# KiCad board hoember_panel.kicad_pcb
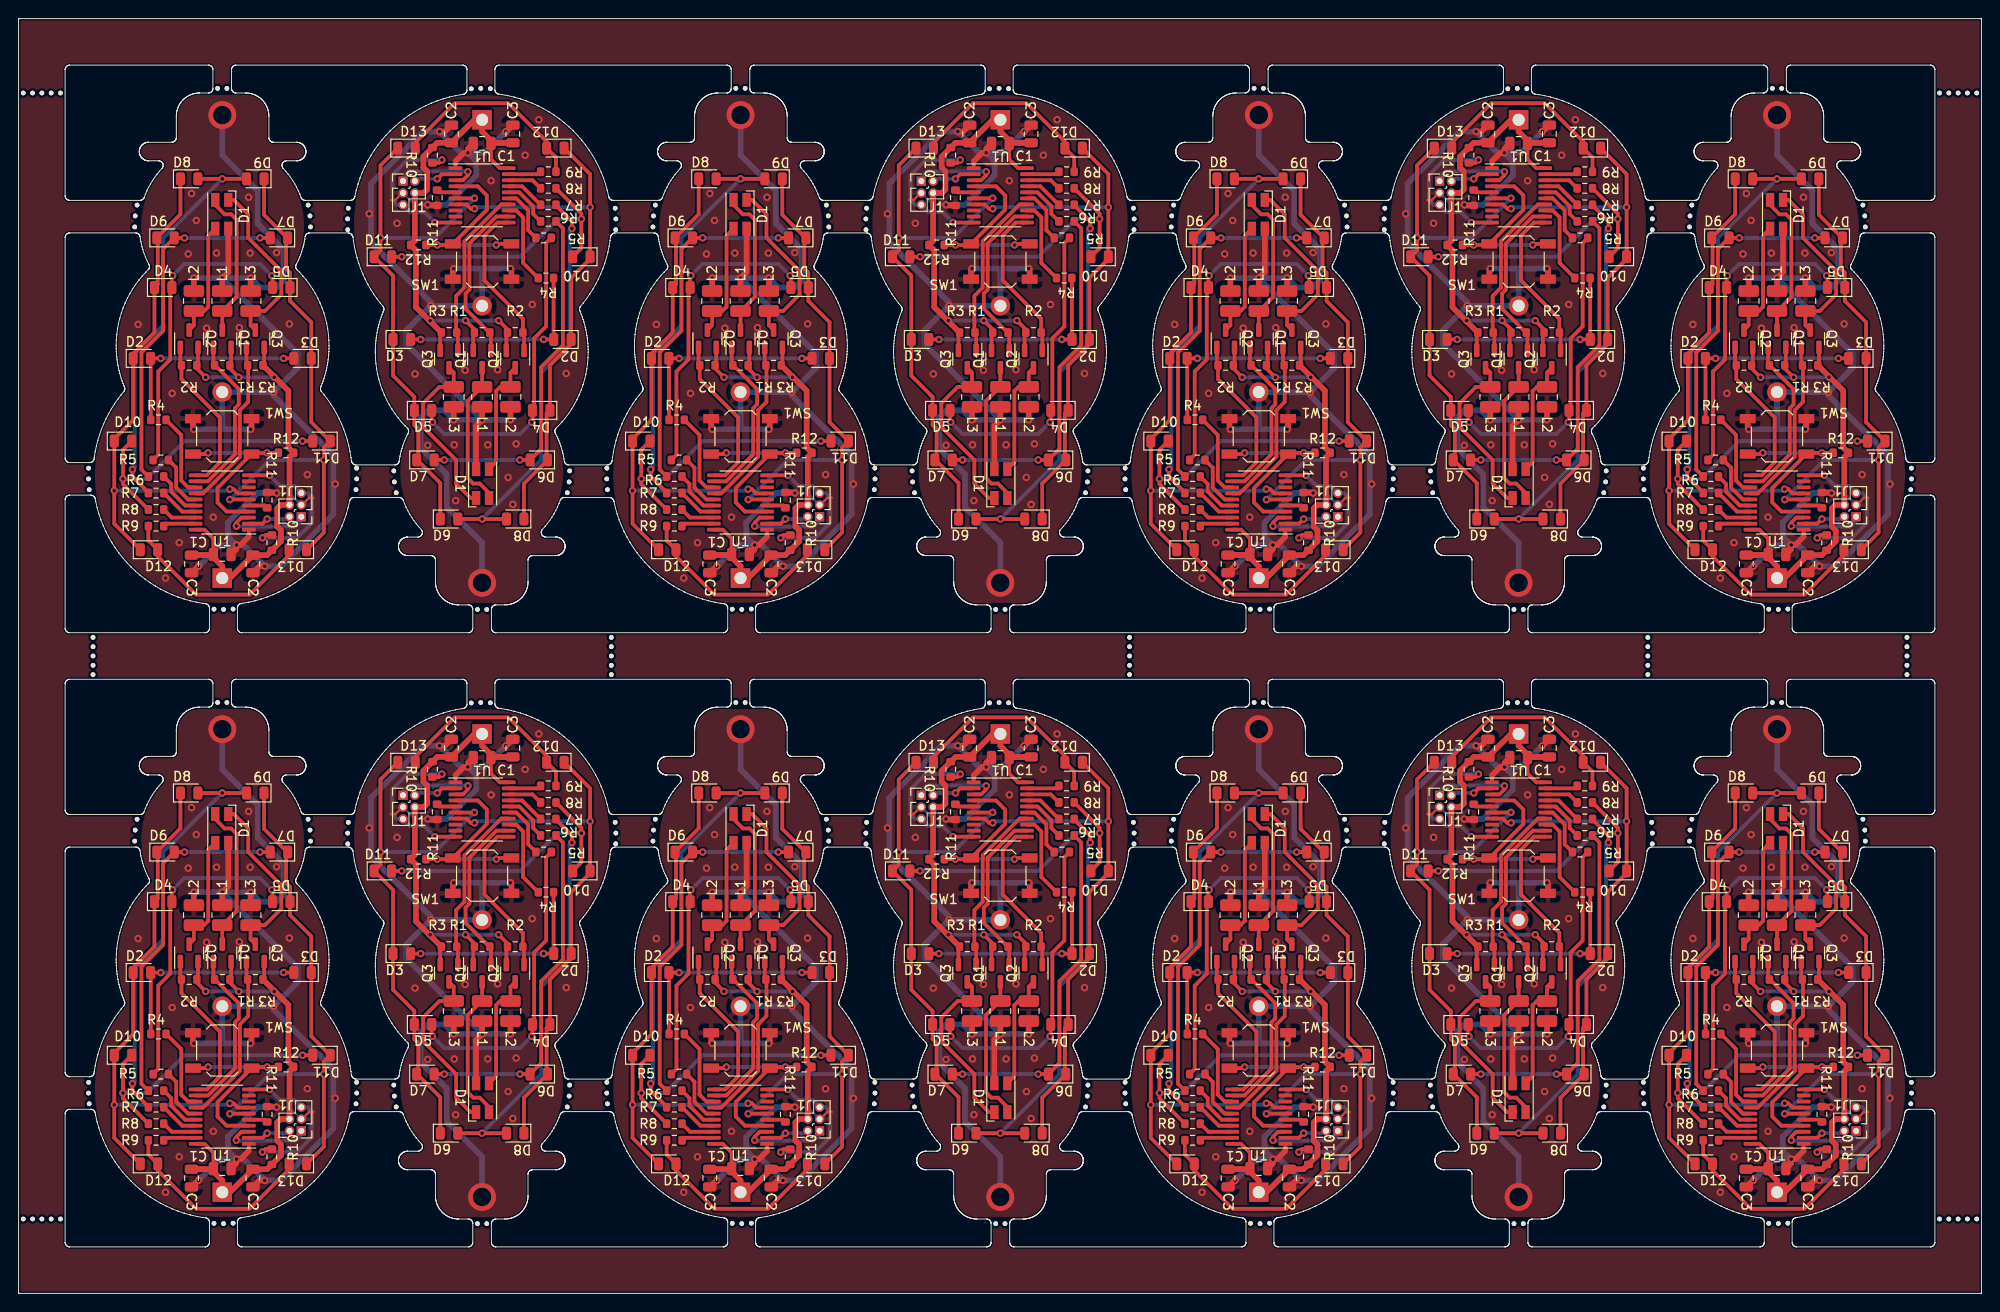
[diagram p0: board, top side]
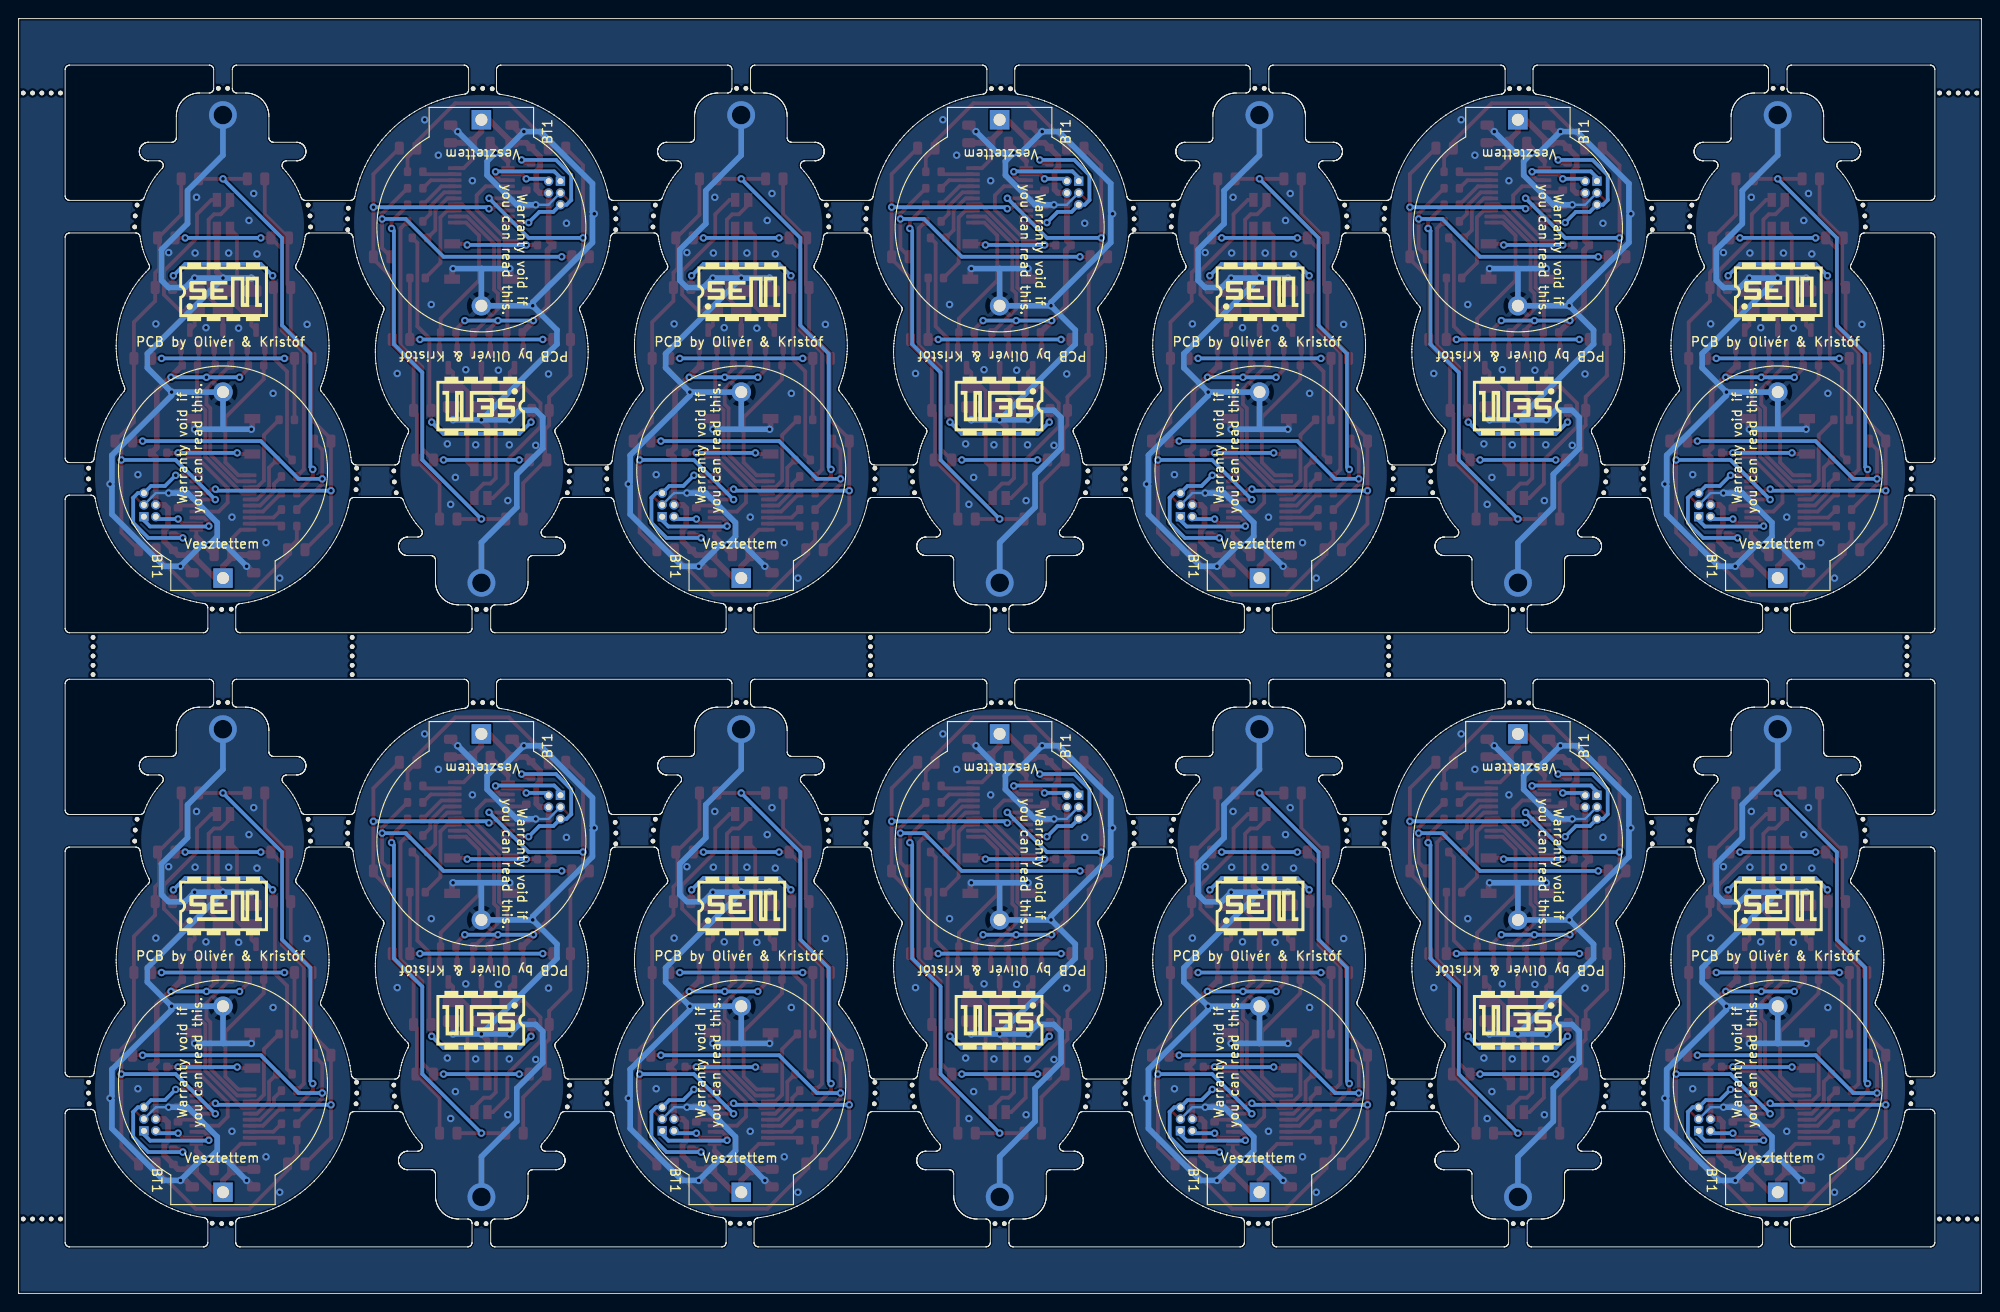
[diagram p1: board, bottom side, seen from below]

Outline 210.97 x 137.07 mm; copper layers: Top, Bottom. Coordinates in mm from the lower left corner of the outline.
Stack: Top 0.035mm / dielectric 1.51mm FR4 er 4.5 / Bottom 0.035mm

## Placement (name value [footprint] x y rotation side)
BT1  Battery  [CR2032_Holder]  161.23 60.16 270 bottom
BT1#2  Battery  [CR2032_Holder]  49.82 126.19 270 bottom
BT1#3  Battery  [CR2032_Holder]  105.52 126.19 270 bottom
BT1#4  Battery  [CR2032_Holder]  77.59 10.88 90 bottom
BT1#5  Battery  [CR2032_Holder]  21.89 10.88 90 bottom
BT1#6  Battery  [CR2032_Holder]  49.82 60.16 270 bottom
BT1#7  Battery  [CR2032_Holder]  189 10.88 90 bottom
BT1#8  Battery  [CR2032_Holder]  133.3 10.88 90 bottom
BT1#9  Battery  [CR2032_Holder]  189 76.91 90 bottom
BT1#10  Battery  [CR2032_Holder]  161.23 126.19 270 bottom
BT1#11  Battery  [CR2032_Holder]  77.59 76.91 90 bottom
BT1#12  Battery  [CR2032_Holder]  105.52 60.16 270 bottom
BT1#13  Battery  [CR2032_Holder]  21.89 76.91 90 bottom
BT1#14  Battery  [CR2032_Holder]  133.3 76.91 90 bottom
C1  100nF  [C_0805_2012Metric]  105.52 57.62 0 top
C1#2  100nF  [C_0805_2012Metric]  77.59 13.42 180 top
C1#3  100nF  [C_0805_2012Metric]  161.23 57.62 0 top
C1#4  100nF  [C_0805_2012Metric]  49.82 123.65 0 top
C1#5  100nF  [C_0805_2012Metric]  49.82 57.62 0 top
C1#6  100nF  [C_0805_2012Metric]  189 13.42 180 top
C1#7  100nF  [C_0805_2012Metric]  77.59 79.45 180 top
C1#8  100nF  [C_0805_2012Metric]  105.52 123.65 0 top
C1#9  100nF  [C_0805_2012Metric]  21.89 13.42 180 top
C1#10  100nF  [C_0805_2012Metric]  189 79.45 180 top
C1#11  100nF  [C_0805_2012Metric]  133.3 13.42 180 top
C1#12  100nF  [C_0805_2012Metric]  21.89 79.45 180 top
C1#13  100nF  [C_0805_2012Metric]  161.23 123.65 0 top
C1#14  100nF  [C_0805_2012Metric]  133.3 79.45 180 top
C2  10uF  [C_0805_2012Metric]  80.89 78.44 270 top
C2#2  10uF  [C_0805_2012Metric]  25.19 12.4 270 top
C2#3  10uF  [C_0805_2012Metric]  102.22 124.67 90 top
C2#4  10uF  [C_0805_2012Metric]  25.19 78.44 270 top
C2#5  10uF  [C_0805_2012Metric]  157.93 124.67 90 top
C2#6  10uF  [C_0805_2012Metric]  46.52 124.67 90 top
C2#7  10uF  [C_0805_2012Metric]  136.6 12.4 270 top
C2#8  10uF  [C_0805_2012Metric]  102.22 58.63 90 top
C2#9  10uF  [C_0805_2012Metric]  80.89 12.4 270 top
C2#10  10uF  [C_0805_2012Metric]  192.3 12.4 270 top
C2#11  10uF  [C_0805_2012Metric]  192.3 78.44 270 top
C2#12  10uF  [C_0805_2012Metric]  46.52 58.63 90 top
C2#13  10uF  [C_0805_2012Metric]  136.6 78.44 270 top
C2#14  10uF  [C_0805_2012Metric]  157.93 58.63 90 top
C3  10uF  [C_0805_2012Metric]  18.58 12.4 270 top
C3#2  10uF  [C_0805_2012Metric]  164.53 58.63 90 top
C3#3  10uF  [C_0805_2012Metric]  185.7 12.4 270 top
C3#4  10uF  [C_0805_2012Metric]  108.82 124.67 90 top
C3#5  10uF  [C_0805_2012Metric]  185.7 78.44 270 top
C3#6  10uF  [C_0805_2012Metric]  74.29 12.4 270 top
C3#7  10uF  [C_0805_2012Metric]  74.29 78.44 270 top
C3#8  10uF  [C_0805_2012Metric]  53.12 58.63 90 top
C3#9  10uF  [C_0805_2012Metric]  129.99 78.44 270 top
C3#10  10uF  [C_0805_2012Metric]  164.53 124.67 90 top
C3#11  10uF  [C_0805_2012Metric]  129.99 12.4 270 top
C3#12  10uF  [C_0805_2012Metric]  53.12 124.67 90 top
C3#13  10uF  [C_0805_2012Metric]  18.58 78.44 270 top
C3#14  10uF  [C_0805_2012Metric]  108.82 58.63 90 top
D1  LED_ARGB  [LED_RGB_Wuerth-PLCC4_3.2x2.8mm_150141M173100]  49.87 21.04 270 top
D1#2  LED_ARGB  [LED_RGB_Wuerth-PLCC4_3.2x2.8mm_150141M173100]  77.54 49.99 90 top
D1#3  LED_ARGB  [LED_RGB_Wuerth-PLCC4_3.2x2.8mm_150141M173100]  105.57 87.07 270 top
D1#4  LED_ARGB  [LED_RGB_Wuerth-PLCC4_3.2x2.8mm_150141M173100]  21.84 49.99 90 top
D1#5  LED_ARGB  [LED_RGB_Wuerth-PLCC4_3.2x2.8mm_150141M173100]  161.28 87.07 270 top
D1#6  LED_ARGB  [LED_RGB_Wuerth-PLCC4_3.2x2.8mm_150141M173100]  49.87 87.07 270 top
D1#7  LED_ARGB  [LED_RGB_Wuerth-PLCC4_3.2x2.8mm_150141M173100]  77.54 116.03 90 top
D1#8  LED_ARGB  [LED_RGB_Wuerth-PLCC4_3.2x2.8mm_150141M173100]  161.28 21.04 270 top
D1#9  LED_ARGB  [LED_RGB_Wuerth-PLCC4_3.2x2.8mm_150141M173100]  133.24 49.99 90 top
D1#10  LED_ARGB  [LED_RGB_Wuerth-PLCC4_3.2x2.8mm_150141M173100]  21.84 116.03 90 top
D1#11  LED_ARGB  [LED_RGB_Wuerth-PLCC4_3.2x2.8mm_150141M173100]  188.95 116.03 90 top
D1#12  LED_ARGB  [LED_RGB_Wuerth-PLCC4_3.2x2.8mm_150141M173100]  188.95 49.99 90 top
D1#13  LED_ARGB  [LED_RGB_Wuerth-PLCC4_3.2x2.8mm_150141M173100]  105.57 21.04 270 top
D1#14  LED_ARGB  [LED_RGB_Wuerth-PLCC4_3.2x2.8mm_150141M173100]  133.24 116.03 90 top
D2  LED  [LED_0805_2012Metric]  169.86 102.57 180 top
D2#2  LED  [LED_0805_2012Metric]  13.25 34.5 0 top
D2#3  LED  [LED_0805_2012Metric]  68.95 34.5 0 top
D2#4  LED  [LED_0805_2012Metric]  58.45 102.57 180 top
D2#5  LED  [LED_0805_2012Metric]  58.45 36.53 180 top
D2#6  LED  [LED_0805_2012Metric]  68.95 100.53 0 top
D2#7  LED  [LED_0805_2012Metric]  114.16 102.57 180 top
D2#8  LED  [LED_0805_2012Metric]  169.86 36.53 180 top
D2#9  LED  [LED_0805_2012Metric]  180.36 34.5 0 top
D2#10  LED  [LED_0805_2012Metric]  124.66 34.5 0 top
D2#11  LED  [LED_0805_2012Metric]  180.36 100.53 0 top
D2#12  LED  [LED_0805_2012Metric]  124.66 100.53 0 top
D2#13  LED  [LED_0805_2012Metric]  114.16 36.53 180 top
D2#14  LED  [LED_0805_2012Metric]  13.25 100.53 0 top
D3  LED  [LED_0805_2012Metric]  30.52 34.5 180 top
D3#2  LED  [LED_0805_2012Metric]  141.93 34.5 180 top
D3#3  LED  [LED_0805_2012Metric]  197.64 34.5 180 top
D3#4  LED  [LED_0805_2012Metric]  152.59 102.57 0 top
D3#5  LED  [LED_0805_2012Metric]  41.18 36.53 0 top
D3#6  LED  [LED_0805_2012Metric]  96.89 102.57 0 top
D3#7  LED  [LED_0805_2012Metric]  41.18 102.57 0 top
D3#8  LED  [LED_0805_2012Metric]  86.23 100.53 180 top
D3#9  LED  [LED_0805_2012Metric]  152.59 36.53 0 top
D3#10  LED  [LED_0805_2012Metric]  141.93 100.53 180 top
D3#11  LED  [LED_0805_2012Metric]  86.23 34.5 180 top
D3#12  LED  [LED_0805_2012Metric]  96.89 36.53 0 top
D3#13  LED  [LED_0805_2012Metric]  197.64 100.53 180 top
D3#14  LED  [LED_0805_2012Metric]  30.52 100.53 180 top
D4  LED  [LED_0805_2012Metric]  56.17 94.95 180 top
D4#2  LED  [LED_0805_2012Metric]  126.95 42.12 0 top
D4#3  LED  [LED_0805_2012Metric]  167.58 94.95 180 top
D4#4  LED  [LED_0805_2012Metric]  167.58 28.91 180 top
D4#5  LED  [LED_0805_2012Metric]  15.54 108.15 0 top
D4#6  LED  [LED_0805_2012Metric]  182.65 108.15 0 top
D4#7  LED  [LED_0805_2012Metric]  71.24 108.15 0 top
D4#8  LED  [LED_0805_2012Metric]  126.95 108.15 0 top
D4#9  LED  [LED_0805_2012Metric]  15.54 42.12 0 top
D4#10  LED  [LED_0805_2012Metric]  71.24 42.12 0 top
D4#11  LED  [LED_0805_2012Metric]  182.65 42.12 0 top
D4#12  LED  [LED_0805_2012Metric]  111.87 28.91 180 top
D4#13  LED  [LED_0805_2012Metric]  111.87 94.95 180 top
D4#14  LED  [LED_0805_2012Metric]  56.17 28.91 180 top
D5  LED  [LED_0805_2012Metric]  195.35 108.15 180 top
D5#2  LED  [LED_0805_2012Metric]  28.24 42.12 180 top
D5#3  LED  [LED_0805_2012Metric]  83.94 42.12 180 top
D5#4  LED  [LED_0805_2012Metric]  139.65 42.12 180 top
D5#5  LED  [LED_0805_2012Metric]  154.88 94.95 0 top
D5#6  LED  [LED_0805_2012Metric]  154.88 28.91 0 top
D5#7  LED  [LED_0805_2012Metric]  139.65 108.15 180 top
D5#8  LED  [LED_0805_2012Metric]  195.35 42.12 180 top
D5#9  LED  [LED_0805_2012Metric]  99.17 94.95 0 top
D5#10  LED  [LED_0805_2012Metric]  43.47 28.91 0 top
D5#11  LED  [LED_0805_2012Metric]  28.24 108.15 180 top
D5#12  LED  [LED_0805_2012Metric]  83.94 108.15 180 top
D5#13  LED  [LED_0805_2012Metric]  99.17 28.91 0 top
D5#14  LED  [LED_0805_2012Metric]  43.47 94.95 0 top
D6  LED  [LED_0805_2012Metric]  71.49 113.49 0 top
D6#2  LED  [LED_0805_2012Metric]  127.2 113.49 0 top
D6#3  LED  [LED_0805_2012Metric]  15.79 47.45 0 top
D6#4  LED  [LED_0805_2012Metric]  182.9 113.49 0 top
D6#5  LED  [LED_0805_2012Metric]  55.91 89.61 180 top
D6#6  LED  [LED_0805_2012Metric]  15.79 113.49 0 top
D6#7  LED  [LED_0805_2012Metric]  111.62 89.61 180 top
D6#8  LED  [LED_0805_2012Metric]  71.49 47.45 0 top
D6#9  LED  [LED_0805_2012Metric]  167.32 89.61 180 top
D6#10  LED  [LED_0805_2012Metric]  55.91 23.58 180 top
D6#11  LED  [LED_0805_2012Metric]  111.62 23.58 180 top
D6#12  LED  [LED_0805_2012Metric]  127.2 47.45 0 top
D6#13  LED  [LED_0805_2012Metric]  167.32 23.58 180 top
D6#14  LED  [LED_0805_2012Metric]  182.9 47.45 0 top
D7  LED  [LED_0805_2012Metric]  43.72 89.61 0 top
D7#2  LED  [LED_0805_2012Metric]  139.39 47.45 180 top
D7#3  LED  [LED_0805_2012Metric]  99.43 23.58 0 top
D7#4  LED  [LED_0805_2012Metric]  43.72 23.58 0 top
D7#5  LED  [LED_0805_2012Metric]  139.39 113.49 180 top
D7#6  LED  [LED_0805_2012Metric]  99.43 89.61 0 top
D7#7  LED  [LED_0805_2012Metric]  195.1 113.49 180 top
D7#8  LED  [LED_0805_2012Metric]  195.1 47.45 180 top
D7#9  LED  [LED_0805_2012Metric]  83.69 47.45 180 top
D7#10  LED  [LED_0805_2012Metric]  27.98 47.45 180 top
D7#11  LED  [LED_0805_2012Metric]  27.98 113.49 180 top
D7#12  LED  [LED_0805_2012Metric]  155.13 23.58 0 top
D7#13  LED  [LED_0805_2012Metric]  155.13 89.61 0 top
D7#14  LED  [LED_0805_2012Metric]  83.69 113.49 180 top
D8  LED  [LED_0805_2012Metric]  109.08 17.23 180 top
D8#2  LED  [LED_0805_2012Metric]  74.03 119.84 0 top
D8#3  LED  [LED_0805_2012Metric]  129.74 53.8 0 top
D8#4  LED  [LED_0805_2012Metric]  164.78 17.23 180 top
D8#5  LED  [LED_0805_2012Metric]  185.44 53.8 0 top
D8#6  LED  [LED_0805_2012Metric]  18.33 119.84 0 top
D8#7  LED  [LED_0805_2012Metric]  109.08 83.26 180 top
D8#8  LED  [LED_0805_2012Metric]  164.78 83.26 180 top
D8#9  LED  [LED_0805_2012Metric]  18.33 53.8 0 top
D8#10  LED  [LED_0805_2012Metric]  129.74 119.84 0 top
D8#11  LED  [LED_0805_2012Metric]  53.37 17.23 180 top
D8#12  LED  [LED_0805_2012Metric]  53.37 83.26 180 top
D8#13  LED  [LED_0805_2012Metric]  185.44 119.84 0 top
D8#14  LED  [LED_0805_2012Metric]  74.03 53.8 0 top
D9  LED  [LED_0805_2012Metric]  25.44 119.84 180 top
D9#2  LED  [LED_0805_2012Metric]  157.67 83.26 0 top
D9#3  LED  [LED_0805_2012Metric]  157.67 17.23 0 top
D9#4  LED  [LED_0805_2012Metric]  192.56 53.8 180 top
D9#5  LED  [LED_0805_2012Metric]  46.26 17.23 0 top
D9#6  LED  [LED_0805_2012Metric]  25.44 53.8 180 top
D9#7  LED  [LED_0805_2012Metric]  81.15 53.8 180 top
D9#8  LED  [LED_0805_2012Metric]  101.97 83.26 0 top
D9#9  LED  [LED_0805_2012Metric]  46.26 83.26 0 top
D9#10  LED  [LED_0805_2012Metric]  192.56 119.84 180 top
D9#11  LED  [LED_0805_2012Metric]  101.97 17.23 0 top
D9#12  LED  [LED_0805_2012Metric]  136.85 53.8 180 top
D9#13  LED  [LED_0805_2012Metric]  136.85 119.84 180 top
D9#14  LED  [LED_0805_2012Metric]  81.15 119.84 180 top
D10  LED  [LED_0805_2012Metric]  122.63 25.61 0 top
D10#2  LED  [LED_0805_2012Metric]  116.19 111.46 180 top
D10#3  LED  [LED_0805_2012Metric]  60.49 45.42 180 top
D10#4  LED  [LED_0805_2012Metric]  122.63 91.64 0 top
D10#5  LED  [LED_0805_2012Metric]  66.92 25.61 0 top
D10#6  LED  [LED_0805_2012Metric]  60.49 111.46 180 top
D10#7  LED  [LED_0805_2012Metric]  171.9 45.42 180 top
D10#8  LED  [LED_0805_2012Metric]  11.22 25.61 0 top
D10#9  LED  [LED_0805_2012Metric]  66.92 91.64 0 top
D10#10  LED  [LED_0805_2012Metric]  178.33 91.64 0 top
D10#11  LED  [LED_0805_2012Metric]  178.33 25.61 0 top
D10#12  LED  [LED_0805_2012Metric]  116.19 45.42 180 top
D10#13  LED  [LED_0805_2012Metric]  11.22 91.64 0 top
D10#14  LED  [LED_0805_2012Metric]  171.9 111.46 180 top
D11  LED  [LED_0805_2012Metric]  150.56 111.46 0 top
D11#2  LED  [LED_0805_2012Metric]  94.85 111.46 0 top
D11#3  LED  [LED_0805_2012Metric]  143.96 25.61 180 top
D11#4  LED  [LED_0805_2012Metric]  88.26 91.64 180 top
D11#5  LED  [LED_0805_2012Metric]  32.55 25.61 180 top
D11#6  LED  [LED_0805_2012Metric]  199.67 25.61 180 top
D11#7  LED  [LED_0805_2012Metric]  94.85 45.42 0 top
D11#8  LED  [LED_0805_2012Metric]  143.96 91.64 180 top
D11#9  LED  [LED_0805_2012Metric]  39.15 45.42 0 top
D11#10  LED  [LED_0805_2012Metric]  39.15 111.46 0 top
D11#11  LED  [LED_0805_2012Metric]  88.26 25.61 180 top
D11#12  LED  [LED_0805_2012Metric]  32.55 91.64 180 top
D11#13  LED  [LED_0805_2012Metric]  150.56 45.42 0 top
D11#14  LED  [LED_0805_2012Metric]  199.67 91.64 180 top
D12  LED  [LED_0805_2012Metric]  69.72 79.96 0 top
D12#2  LED  [LED_0805_2012Metric]  69.72 13.93 0 top
D12#3  LED  [LED_0805_2012Metric]  169.1 57.11 180 top
D12#4  LED  [LED_0805_2012Metric]  169.1 123.14 180 top
D12#5  LED  [LED_0805_2012Metric]  125.42 79.96 0 top
D12#6  LED  [LED_0805_2012Metric]  113.4 57.11 180 top
D12#7  LED  [LED_0805_2012Metric]  125.42 13.93 0 top
D12#8  LED  [LED_0805_2012Metric]  57.69 123.14 180 top
D12#9  LED  [LED_0805_2012Metric]  14.01 13.93 0 top
D12#10  LED  [LED_0805_2012Metric]  57.69 57.11 180 top
D12#11  LED  [LED_0805_2012Metric]  14.01 79.96 0 top
D12#12  LED  [LED_0805_2012Metric]  181.13 79.96 0 top
D12#13  LED  [LED_0805_2012Metric]  181.13 13.93 0 top
D12#14  LED  [LED_0805_2012Metric]  113.4 123.14 180 top
D13  LED  [LED_0805_2012Metric]  30.01 79.96 180 top
D13#2  LED  [LED_0805_2012Metric]  85.72 79.96 180 top
D13#3  LED  [LED_0805_2012Metric]  41.69 57.11 0 top
D13#4  LED  [LED_0805_2012Metric]  153.1 57.11 0 top
D13#5  LED  [LED_0805_2012Metric]  141.42 79.96 180 top
D13#6  LED  [LED_0805_2012Metric]  30.01 13.93 180 top
D13#7  LED  [LED_0805_2012Metric]  153.1 123.14 0 top
D13#8  LED  [LED_0805_2012Metric]  97.39 123.14 0 top
D13#9  LED  [LED_0805_2012Metric]  197.13 79.96 180 top
D13#10  LED  [LED_0805_2012Metric]  141.42 13.93 180 top
D13#11  LED  [LED_0805_2012Metric]  97.39 57.11 0 top
D13#12  LED  [LED_0805_2012Metric]  197.13 13.93 180 top
D13#13  LED  [LED_0805_2012Metric]  41.69 123.14 0 top
D13#14  LED  [LED_0805_2012Metric]  85.72 13.93 180 top
J1  Conn_2Rows-05Pins  [ProgConnector_5pin]  152.73 119.59 0 top
J1#2  Conn_2Rows-05Pins  [ProgConnector_5pin]  197.5 17.48 180 top
J1#3  Conn_2Rows-05Pins  [ProgConnector_5pin]  97.02 53.56 0 top
J1#4  Conn_2Rows-05Pins  [ProgConnector_5pin]  41.32 119.59 0 top
J1#5  Conn_2Rows-05Pins  [ProgConnector_5pin]  86.09 17.48 180 top
J1#6  Conn_2Rows-05Pins  [ProgConnector_5pin]  152.73 53.56 0 top
J1#7  Conn_2Rows-05Pins  [ProgConnector_5pin]  141.79 83.51 180 top
J1#8  Conn_2Rows-05Pins  [ProgConnector_5pin]  197.5 83.51 180 top
J1#9  Conn_2Rows-05Pins  [ProgConnector_5pin]  30.39 17.48 180 top
J1#10  Conn_2Rows-05Pins  [ProgConnector_5pin]  86.09 83.51 180 top
J1#11  Conn_2Rows-05Pins  [ProgConnector_5pin]  141.79 17.48 180 top
J1#12  Conn_2Rows-05Pins  [ProgConnector_5pin]  30.39 83.51 180 top
J1#13  Conn_2Rows-05Pins  [ProgConnector_5pin]  97.02 119.59 0 top
J1#14  Conn_2Rows-05Pins  [ProgConnector_5pin]  41.32 53.56 0 top
KiKit_MB_1_2  -  [NPTH]  31.38 114.67 0 top
KiKit_MB_1_3  -  [NPTH]  31.32 115.85 0 top
KiKit_MB_1_4  -  [NPTH]  31.12 117.02 0 top
KiKit_MB_2_2  -  [NPTH]  12.73 117.02 0 top
KiKit_MB_2_3  -  [NPTH]  12.53 115.85 0 top
KiKit_MB_2_4  -  [NPTH]  12.48 114.67 0 top
KiKit_MB_3_2  -  [NPTH]  7.52 88.73 0 top
KiKit_MB_3_3  -  [NPTH]  7.51 87.57 0 top
KiKit_MB_3_4  -  [NPTH]  7.58 86.42 0 top
KiKit_MB_4_2  -  [NPTH]  21 73.57 0 top
KiKit_MB_4_3  -  [NPTH]  22.03 73.54 0 top
KiKit_MB_4_4  -  [NPTH]  23.05 73.58 0 top
KiKit_MB_5_2  -  [NPTH]  22.39 129.57 0 top
KiKit_MB_5_3  -  [NPTH]  21.39 129.57 0 top
KiKit_MB_6_2  -  [NPTH]  36.27 86.42 0 top
KiKit_MB_6_3  -  [NPTH]  36.34 87.57 0 top
KiKit_MB_6_4  -  [NPTH]  36.33 88.73 0 top
KiKit_MB_7_2  -  [NPTH]  40.33 88.43 0 top
KiKit_MB_7_3  -  [NPTH]  40.38 87.25 0 top
KiKit_MB_7_4  -  [NPTH]  40.59 86.08 0 top
KiKit_MB_8_2  -  [NPTH]  58.97 86.08 0 top
KiKit_MB_8_3  -  [NPTH]  59.17 87.25 0 top
KiKit_MB_8_4  -  [NPTH]  59.23 88.43 0 top
KiKit_MB_9_2  -  [NPTH]  64.18 114.37 0 top
KiKit_MB_9_3  -  [NPTH]  64.19 115.53 0 top
KiKit_MB_9_4  -  [NPTH]  64.12 116.68 0 top
KiKit_MB_10_2  -  [NPTH]  50.7 129.54 0 top
KiKit_MB_10_3  -  [NPTH]  49.68 129.57 0 top
KiKit_MB_10_4  -  [NPTH]  48.65 129.52 0 top
KiKit_MB_11_2  -  [NPTH]  49.32 73.53 0 top
KiKit_MB_11_3  -  [NPTH]  50.32 73.53 0 top
KiKit_MB_12_2  -  [NPTH]  35.44 116.68 0 top
KiKit_MB_12_3  -  [NPTH]  35.36 115.53 0 top
KiKit_MB_12_4  -  [NPTH]  35.37 114.37 0 top
KiKit_MB_13_2  -  [NPTH]  87.08 114.67 0 top
KiKit_MB_13_3  -  [NPTH]  87.03 115.85 0 top
KiKit_MB_13_4  -  [NPTH]  86.82 117.02 0 top
KiKit_MB_14_2  -  [NPTH]  68.44 117.02 0 top
KiKit_MB_14_3  -  [NPTH]  68.24 115.85 0 top
KiKit_MB_14_4  -  [NPTH]  68.18 114.67 0 top
KiKit_MB_15_2  -  [NPTH]  63.23 88.73 0 top
KiKit_MB_15_3  -  [NPTH]  63.21 87.57 0 top
KiKit_MB_15_4  -  [NPTH]  63.29 86.42 0 top
KiKit_MB_16_2  -  [NPTH]  76.71 73.57 0 top
KiKit_MB_16_3  -  [NPTH]  77.73 73.54 0 top
KiKit_MB_16_4  -  [NPTH]  78.76 73.58 0 top
KiKit_MB_17_2  -  [NPTH]  78.09 129.57 0 top
KiKit_MB_17_3  -  [NPTH]  77.09 129.57 0 top
KiKit_MB_18_2  -  [NPTH]  91.97 86.42 0 top
KiKit_MB_18_3  -  [NPTH]  92.05 87.57 0 top
KiKit_MB_18_4  -  [NPTH]  92.03 88.73 0 top
KiKit_MB_19_2  -  [NPTH]  96.03 88.43 0 top
KiKit_MB_19_3  -  [NPTH]  96.09 87.25 0 top
KiKit_MB_19_4  -  [NPTH]  96.29 86.08 0 top
KiKit_MB_20_2  -  [NPTH]  114.68 86.08 0 top
KiKit_MB_20_3  -  [NPTH]  114.88 87.25 0 top
KiKit_MB_20_4  -  [NPTH]  114.93 88.43 0 top
KiKit_MB_21_2  -  [NPTH]  119.89 114.37 0 top
KiKit_MB_21_3  -  [NPTH]  119.9 115.53 0 top
KiKit_MB_21_4  -  [NPTH]  119.83 116.68 0 top
KiKit_MB_22_2  -  [NPTH]  106.41 129.54 0 top
KiKit_MB_22_3  -  [NPTH]  105.38 129.57 0 top
KiKit_MB_22_4  -  [NPTH]  104.36 129.52 0 top
KiKit_MB_23_2  -  [NPTH]  105.02 73.53 0 top
KiKit_MB_23_3  -  [NPTH]  106.02 73.53 0 top
KiKit_MB_24_2  -  [NPTH]  91.14 116.68 0 top
KiKit_MB_24_3  -  [NPTH]  91.07 115.53 0 top
KiKit_MB_24_4  -  [NPTH]  91.08 114.37 0 top
KiKit_MB_25_2  -  [NPTH]  142.79 114.67 0 top
KiKit_MB_25_3  -  [NPTH]  142.73 115.85 0 top
KiKit_MB_25_4  -  [NPTH]  142.53 117.02 0 top
KiKit_MB_26_2  -  [NPTH]  124.14 117.02 0 top
KiKit_MB_26_3  -  [NPTH]  123.94 115.85 0 top
KiKit_MB_26_4  -  [NPTH]  123.88 114.67 0 top
KiKit_MB_27_2  -  [NPTH]  118.93 88.73 0 top
KiKit_MB_27_3  -  [NPTH]  118.92 87.57 0 top
KiKit_MB_27_4  -  [NPTH]  118.99 86.42 0 top
KiKit_MB_28_2  -  [NPTH]  132.41 73.57 0 top
KiKit_MB_28_3  -  [NPTH]  133.44 73.54 0 top
KiKit_MB_28_4  -  [NPTH]  134.46 73.58 0 top
KiKit_MB_29_2  -  [NPTH]  133.8 129.57 0 top
KiKit_MB_29_3  -  [NPTH]  132.8 129.57 0 top
KiKit_MB_30_2  -  [NPTH]  147.68 86.42 0 top
KiKit_MB_30_3  -  [NPTH]  147.75 87.57 0 top
KiKit_MB_30_4  -  [NPTH]  147.74 88.73 0 top
KiKit_MB_31_2  -  [NPTH]  151.74 88.43 0 top
KiKit_MB_31_3  -  [NPTH]  151.79 87.25 0 top
KiKit_MB_31_4  -  [NPTH]  151.99 86.08 0 top
KiKit_MB_32_2  -  [NPTH]  170.38 86.08 0 top
KiKit_MB_32_3  -  [NPTH]  170.58 87.25 0 top
KiKit_MB_32_4  -  [NPTH]  170.64 88.43 0 top
KiKit_MB_33_2  -  [NPTH]  175.59 114.37 0 top
KiKit_MB_33_3  -  [NPTH]  175.6 115.53 0 top
KiKit_MB_33_4  -  [NPTH]  175.53 116.68 0 top
KiKit_MB_34_2  -  [NPTH]  162.11 129.54 0 top
KiKit_MB_34_3  -  [NPTH]  161.09 129.57 0 top
KiKit_MB_34_4  -  [NPTH]  160.06 129.52 0 top
KiKit_MB_35_2  -  [NPTH]  160.73 73.53 0 top
KiKit_MB_35_3  -  [NPTH]  161.73 73.53 0 top
KiKit_MB_36_2  -  [NPTH]  146.84 116.68 0 top
KiKit_MB_36_3  -  [NPTH]  146.77 115.53 0 top
KiKit_MB_36_4  -  [NPTH]  146.78 114.37 0 top
KiKit_MB_37_2  -  [NPTH]  198.49 114.67 0 top
KiKit_MB_37_3  -  [NPTH]  198.43 115.85 0 top
KiKit_MB_37_4  -  [NPTH]  198.23 117.02 0 top
KiKit_MB_38_2  -  [NPTH]  179.85 117.02 0 top
KiKit_MB_38_3  -  [NPTH]  179.64 115.85 0 top
KiKit_MB_38_4  -  [NPTH]  179.59 114.67 0 top
KiKit_MB_39_2  -  [NPTH]  174.64 88.73 0 top
KiKit_MB_39_3  -  [NPTH]  174.62 87.57 0 top
KiKit_MB_39_4  -  [NPTH]  174.7 86.42 0 top
KiKit_MB_40_2  -  [NPTH]  188.11 73.57 0 top
KiKit_MB_40_3  -  [NPTH]  189.14 73.54 0 top
KiKit_MB_40_4  -  [NPTH]  190.17 73.58 0 top
KiKit_MB_41_2  -  [NPTH]  189.5 129.57 0 top
KiKit_MB_41_3  -  [NPTH]  188.5 129.57 0 top
KiKit_MB_42_2  -  [NPTH]  203.38 86.42 0 top
KiKit_MB_42_3  -  [NPTH]  203.46 87.57 0 top
KiKit_MB_42_4  -  [NPTH]  203.44 88.73 0 top
KiKit_MB_43_2  -  [NPTH]  31.38 48.63 0 top
KiKit_MB_43_3  -  [NPTH]  31.32 49.82 0 top
KiKit_MB_43_4  -  [NPTH]  31.12 50.98 0 top
KiKit_MB_44_2  -  [NPTH]  12.73 50.98 0 top
KiKit_MB_44_3  -  [NPTH]  12.53 49.82 0 top